# KiCad board rioctrl-controller.kicad_pcb (continued)
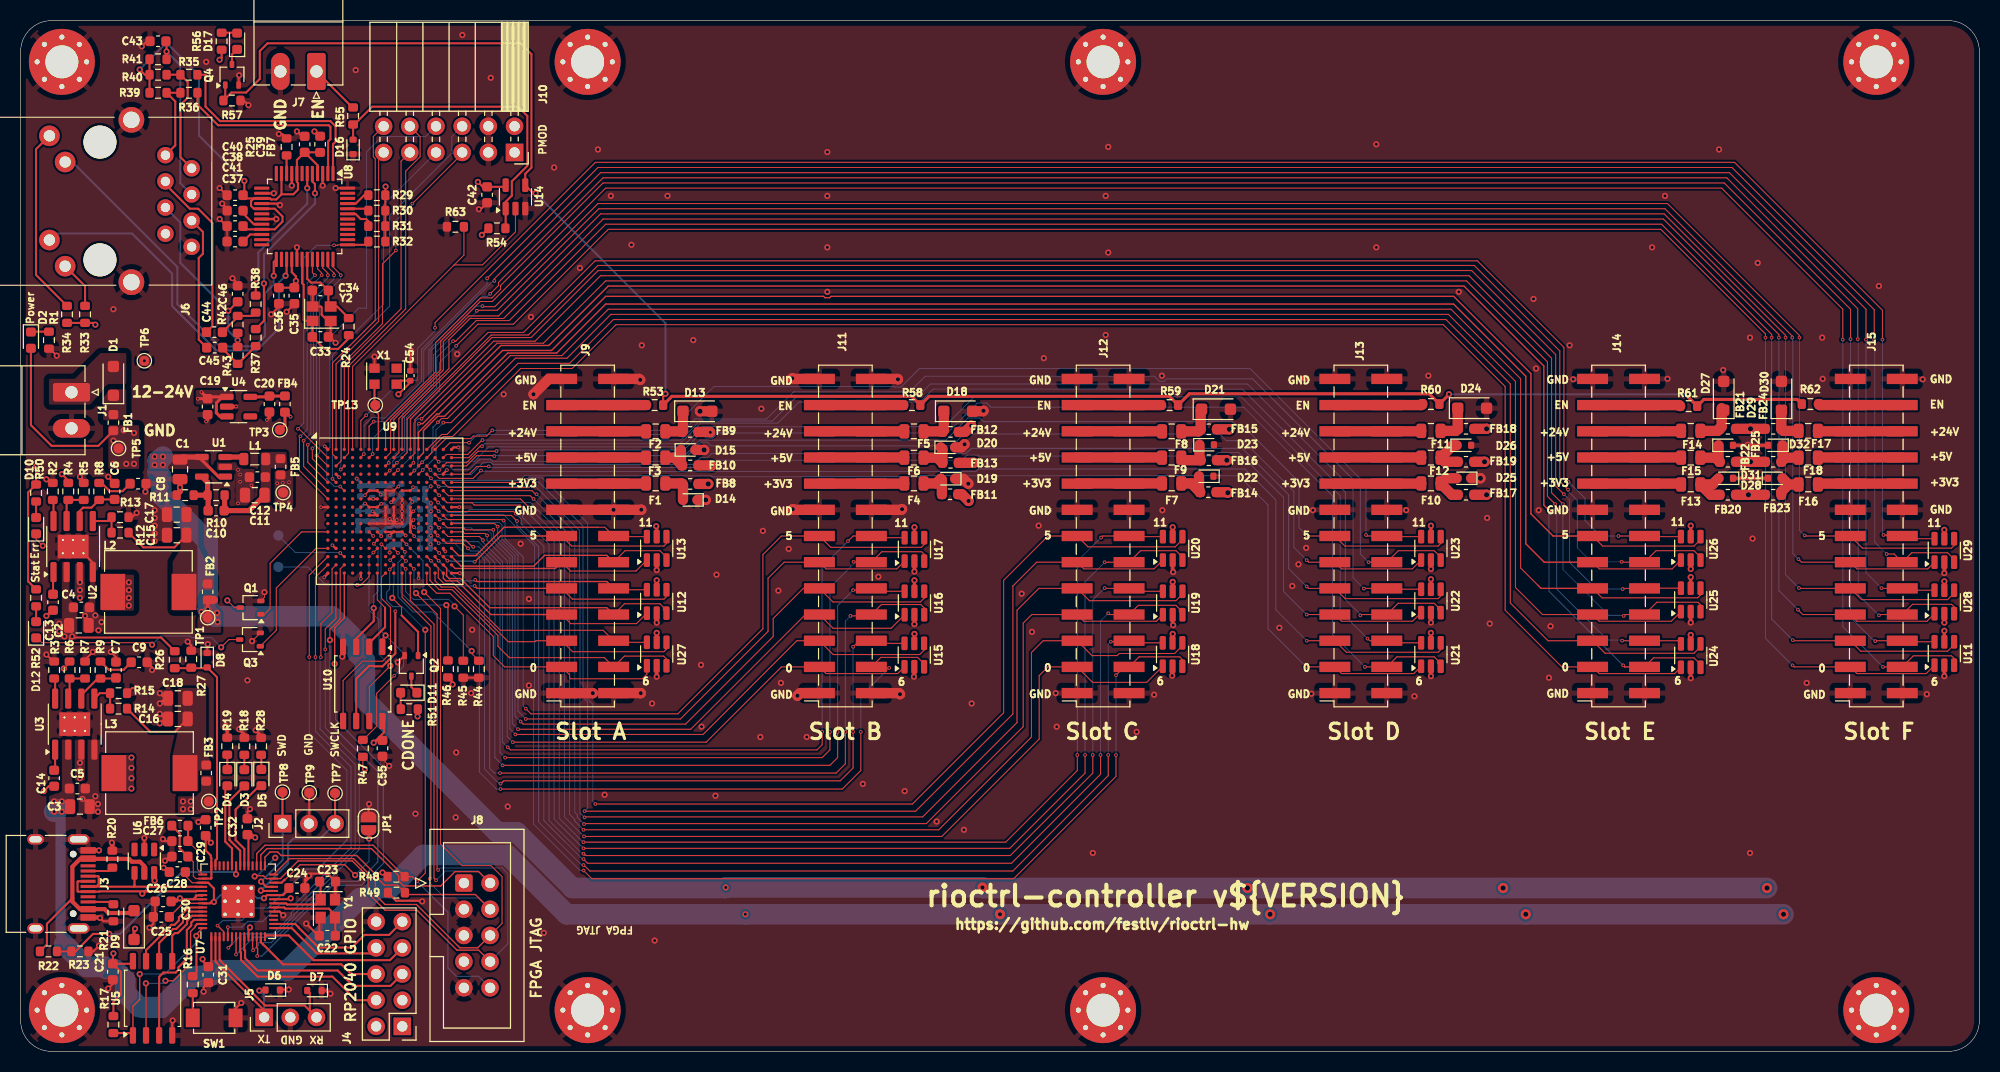
[diagram p0: board, top side]
## Routing (per net, layer and track width the routed paths; a pad name or vN(x,y) marks a point on that pad's centre or on a via; arc(x,y) is an arc through that point) (continued)
+5V: length 443.6
  Top w0.3: D9.1 11,11.8 v1(11.1,11.9) ; FB2.2 18.14,42.91 v1(18.15,42.9) 18.14,42.89 TP1.1 ; U1.1 19.19,55.76 17.58,57.38 U1.4
  Top w0.5: C1.1 15.71,57.66 U1.4
  Top w0.8: 18.75,43.8 18.16,43.8 FB2.2
  Top w1: v1(67,56.8) 66.95,56.85 FB10.2 ; FB16.2 v3(117,57.35) ; FB19.2 v3(142,57.2) ; FB13.2 v2(92.45,57.1) ; FB25.2 v3(167.8,57.2) FB22.2
  In2.Cu w0.3: v1(11.1,11.9) 10.05,12.95 10.05,19.7 11.4,21.05 11.4,34.48 11.9,34.98 11.9,37.07 17.73,42.9 v1(18.15,42.9)
  In2.Cu w1: v3(167.8,57.2) 169.4,55.6 v3(169.4,15.85) ; v2(92.45,57.1) 93.45,56.1 93.45,16.05 v2(93.3,15.9) ; v3(119,15.85) 119,55.35 v3(117,57.35) ; v3(143.8,15.85) 143.8,55.4 v3(142,57.2) ; v1(68.4,15.9) 68.6,16.1 68.6,55.2 v1(67,56.8)
  Bottom w2: v1(13.8,57.7) 13.4,57.3 13.3,57.3 13.3,56.1 13.62,55.78 13.62,54 18.15,49.47 v1(18.15,42.9) 18.85,42.2 30.2,42.2 32.7,39.7 32.7,38.6 33.4,37.9 33.4,34.1 46.25,21.25 48.13,21.25 53.53,15.85 68.35,15.85 v1(68.4,15.9) v2(93.3,15.9) 93.35,15.85 v3(119,15.85) v3(143.8,15.85) v3(169.4,15.85)
  vias: v1(13,57.7) v1(13,56.9) v1(13.8,56.9) v1(17.55,42.65) v1(19.05,42.55) v1(19.1,41.65)
+24V: length 490.5
  Top w0.1: v1(4.2,37.15) 4.75,37.7 R6.1
  Top w0.2: 4.75,40 v1(5,40.25) 5.1,40.15 13.62,40.15 R26.2 ; R4.1 4.62,55.38 v1(4,56) ; FB1.2 7.54,58.75 3,58.75 1,60.75 D2.2 1.04,68.17
  Top w1: FB24.1 v3(167.8,60.4) FB21.1 ; v2(92.2,60.7) 91.6,60.1 FB12.1 ; FB15.1 v3(117.25,60.35) ; FB9.1 66.85,60.1 v1(66.9,60.05) ; FB18.1 v3(142.2,60.4)
  In2.Cu w1: v3(117.25,60.35) 120.55,57.05 120.55,13.95 v3(121.2,13.3) ; v3(171,13.3) 171,57.2 v3(167.8,60.4) ; v1(70.3,13.3) 70.25,13.35 70.25,56.7 v1(66.9,60.05) ; v2(95,13.3) 95.3,13.6 95.3,57 92.2,60.1 v2(92.2,60.7) ; v3(146,13.3) 146,56.6 v3(142.2,60.4)
  Bottom w1: v1(4,23.25) 3.88,23.13 3.88,11.42 7.1,8.2 9.3,8.2 9.65,7.85 9.65,5.95 11.85,3.75 13.86,3.75 17.38,7.27
  Bottom w2: 3.45,23.5 3.45,23.45 v1(3.25,23.25) ; v3(171,13.3) v3(146,13.3) v3(121.2,13.3) v2(95,13.3) v1(70.3,13.3) 52.97,13.3 47.22,19.05 39.06,19.05 35.86,15.85 34.59,15.85 33.6,14.86 32.91,14.86 25.92,7.88 18.92,7.88 18.37,7.32 17.43,7.32 17.38,7.27 16.62,7.27 13.65,4.3 11.53,4.3 10.15,5.68 10.15,6.92 9.07,8 8.38,8 8.18,8.2 6.41,8.2 4.23,10.38
  vias: v1(3.25,24.25) v1(3.75,41.5) v1(3.75,40.75) v1(4,24.25) v1(4.25,40.25) v1(9,59.25) v1(9,57) v1(10,60.25) v1(10.25,57) v1(11,60) v1(11,57)
/RP2040 JTAG/1V1_RP2040: length 18.2
  Top w0.1: C26.1 15.97,17.03 16.64,16.36 17.13,16.36
  Top w0.127: U7.50 15.74,14.36 14.42,13.05
  Top w0.2: U7.50 18.36,14.36 18.5,14.5 v1(18.75,14.5) 18.75,15.81 18.2,16.36 U7.45 17.13,16.36 ; v1(23.6,14.86) 23.91,15.16 U7.23 25.46,15.16 26.03,15.72 C24.1 ; C26.1 16.09,17.4
  Bottom w0.2: v1(18.75,14.5) 19.41,15.16 22.62,15.16 22.93,14.86 v1(23.6,14.86)
/RP2040 JTAG/VBUS_SENSE: length 21.5
  Top w0.2: v1(20.89,17.18) 20.9,17.19 U7.36 ; 3.52,9.7 R23.1 5.33,9.7 7.03,11.4 v1(8.6,11.4)
  Bottom w0.2: v1(20.89,17.18) 20.66,17.41 15.66,17.41 9.65,11.4 v1(8.6,11.4)
/RP2040 JTAG/VIN_SENSE: length 22.9
  Top w0.2: U7.41 18.9,18.53 19.05,18.68 19.05,36.3 D8.2 18.03,37.17 R26.1
/W5500 interface/3V3_ADD: length 51.7
  Top w0.2: C41.1 21.89,79.75 U8.21 24.65,79.75 25.4,80.5 25.4,81 24.65,81.75 U8.17 22.62,81.75 22.35,82.02 22.35,82.48 22.62,82.75 U8.15 ; R39.1 R41.1 ; v1(11.55,95.25) 12.05,94.75 R40.1 ; v1(21.7,84.45) 21.7,83.19 C40.1 21.89,82.75 U8.15 ; U8.4 28.8,85.97 C39.1 ; 25.3,83.15 24.8,82.65 24.3,82.65 24.2,82.75 U8.15 ; 25.3,83.15 U8.11 ; 25.3,83.15 26.45,83.15 26.9,83.6 26.9,84.25 26.8,84.35 U8.8 26.8,86.47 C39.1 ; C39.1 29.04,87.22 FB7.2
  Bottom w0.2: v1(11.55,95.25) 13.9,97.6 14.4,97.6 17.3,94.7 17.3,88.85 v1(21.7,84.45)
GND: length 214.1
  Top w0.1: v1(22.45,39.8) 22.45,39.8 Q3.2 ; Q1.2 23.65,44.05 v1(23.65,44.55) ; v1(35.75,27.7) 35.1,28.35 C55.2 ; v4(36.64,54.8) 36.6,54.8
  Top w0.127: C41.2 C37.2 ; 36.6,54.8 U9.F9
  Top w0.2: U8.48 v1(30.55,83.75) ; C40.2 19.99,83.06 v1(19.3,83.75) ; v1(11.25,52.25) 10.83,51.83 R13.2 ; D7.1 29.75,5.9 v1(30.05,5.6) ; R1.2 2.83,68.17 v1(3.5,67.5) ; v1(2.5,55.5) 2.85,55.15 R2.2 ; v1(27.7,12.4) 28.88,11.22 C22.1 28.97,12.85 Y1.2 ; v1(2.5,38.5) 3.17,37.83 R3.2 ; C9.2 12.75,37.28 v1(12.75,37) ; U9.K9 36.2,51.25 ; U9.K9 U9.K7 U9.K6 ; U9.K9 U9.J9 U9.H9 ; U9.K9 U9.K10 v4(37,51.55) U9.J10 v4(37,52.4) U9.H10 v4(37,53.2) U9.G10 ; 36.2,51.25 v4(36.5,51.55) ; 36.2,51.25 v4(35.8,51.65) ; U9.K8 U9.J8 U9.H8 ; R45.2 R44.2 ; U9.N2 30.55,48.8 v4(30.25,49.1) ; v1(37.9,67.95) 37.8,67.85 C54.2 ; U9.T12 v4(38.6,45.9) ; U8.3 v1(29.3,84) ; U9.A1 v4(29.5,58.7) ; v1(21.4,4.7) 20.85,4.15 SW1.1 ; R57.1 21.65,92.25 v1(22.1,91.8) ; U9.T5 v4(33,45.85) ; v1(7.6,10.25) 7.05,9.7 R23.2 ; v1(25.8,71.75) 26.55,72.5 C35.2 ; v1(13.86,17.81) 14.28,17.4 C26.2 ; C41.2 19.99,80.06 v1(19.3,80.75) ; C46.2 21.05,74.5 v1(20.55,75) ; JP1.1 33.75,23.95 v1(33.8,24) ; TP9.1 28,22.14 J2.2 ; v1(7,38.75) 6.25,38 R7.2 ; C21.2 8.95,6.55 v1(8.5,6.1) ; v1(13.5,31.83) 13.92,32.25 C16.2 14,32.25 v1(13.5,32.75) ; R27.2 16.55,39.4 v1(16.2,39.75) ; v1(11.25,35.25) 10.83,35.25 R15.2 ; C42.1 44.62,81.7 v1(44.45,81.7) ; v4(29.45,46) 29.8,46.35 U9.T1 ; U7.19 25.12,13.56 v1(25.47,13.21) ; U9.D15 41,56.05 v4(41.35,56.4) ; v1(19.55,82.25) 20.03,81.78 C38.2 ; U9.N15 41,48.7 v4(41.2,48.5) ; C18.2 14,34.25 ; 14,34.25 v1(13.5,33.75) ; 14,34.25 v1(13.5,34.75) ; C43.2 12.25,98 v1(11.75,97.5) ; C39.2 27.28,88.78 v1(26.8,89.25) ; v1(5.75,55.75) 6.12,55.38 R5.2 ; C28.2 14.4,18.9 v1(14,18.5) ; U2.4 7,47.42 U2.9 ; v1(38.95,14.55) 38.89,14.61 36.41,14.61 R49.2 ; v1(21.2,94.7) 21.15,94.65 Q4.2 ; U9.A16 42,58.6 v4(42.45,58.6) ; U8.14 v1(24.55,83.25) ; v1(18.15,39.5) 18.1,39.45 D8.1 ; C23.1 29.78,17.25 28.15,17.25 v1(27.95,17.05) 27.58,16.68 C24.2 27.58,16.42 28.2,17.05 ; C23.1 30.5,16.42 Y1.4 30.55,14.78 C23.1 ; v1(30.55,68.75) 29.99,69.31 C33.1 30.08,69.54 Y2.2 29.8,70.86 29.2,71.47 29.2,72.17 29.1,72.27 Y2.4 28.33,73.79 C34.2 ; U5.4 14.7,2.96 v1(14.75,3) ; U9.D2 v4(30.9,55.7) ; C6.2 9.12,55.13 v1(8.5,55.75) ; v1(34.33,67.4) X1.2 ; C36.2 25.05,72.25 v1(24.3,71.5) ; v1(7.7,12.95) 8.03,12.62 R21.2 ; U10.4 31.2,39.17 v1(31.2,38.3) ; U9.H1 v4(29.15,52.8) ; U8.29 v1(26.8,78) ; D6.1 25.2,6 v1(26,6) ; Q2.2 37.24,38.4 v1(36.59,37.75) ; v1(22.25,23.5) 22,23.25 C32.2 ; v1(25.05,89) 25.38,89 R25.2 ; v1(25.15,82.1) 25,82.25 U8.16 ; U9.H16 v4(42.55,52.8) ; 18.2,6.68 17.75,6.22 v1(17.75,5.8) ; v1(12.1,54.3) 12.1,55 C8.2 ; U8.19 v1(24.8,80.75) ; U8.9 v1(26.3,84) ; v1(17.25,22.25) 17.47,22.47 C29.2 ; C30.2 13.05,13.22 C25.2 12.88,12.38 v1(12.5,12) ; C7.2 9.25,38.25 v1(8.75,38.75) ; C27.2 14,20.4 v1(13.8,20.6) ; U6.2 v1(12,20.7) ; U9.F9 U9.F8 U9.G8 ; v4(42.6,46.4) U9.T16
  Top w0.3: U25.2 v1(162,41.6) ; D32.2 167.6,58.8 v1(167.55,58.85) 167.5,58.8 D29.2 ; U16.2 v1(86.7,41.45) ; U20.2 111.75,46.55 v1(111.8,46.5) ; v1(111.8,41.35) 111.75,41.4 U19.2 ; v4(20.89,62.56) 20.88,62.55 U4.2 ; U22.2 v1(136.8,41.6) ; v4(23.89,61.26) 24.14,61.51 C20.1 ; U23.2 v1(136.8,46.8) ; U13.2 v1(61.7,46.7) ; U24.2 v1(162,36.2) ; U15.2 86.69,36.39 v1(86.65,36.35) ; 18.14,61.78 18.14,61.26 v4(17.99,61.11) ; U29.2 v1(186.6,46.4) ; U21.2 v1(136.8,36.4) ; v1(21.2,31.25) 21.7,30.75 R18.2 ; U17.2 v1(86.7,46.55) ; U27.2 v1(61.7,36.35) ; U12.2 v1(61.7,41.6) ; R19.2 20.04,31.46 v1(19.9,31.6) ; R28.2 23.33,30.62 v1(22.8,31.15) ; D28.1 167.15,55.6 v1(167.2,55.65) 167.25,55.6 D31.1 ; U28.2 v1(186.6,41.6) ; v1(111.7,36.45) 111.74,36.49 U18.2 ; U11.2 v1(186.6,36.4) ; U26.2 v1(162,46.8)
  Top w0.4: J3.A1 v1(7.6,19.5) ; J3.A12 7.65,13 v1(7.7,12.95) ; R20.1 8.9,20.2 v1(8.85,20.25)
  Top w0.5: R11.2 15.46,54.29 v1(15.46,54.71) C1.2
  Top w1: v2(75.35,34.5) 75.61,34.76 J11.1 ; D13.2 v3(65.9,62.1) ; D19.1 91.45,55.55 v2(91.93,55.07) ; v2(74.9,52.6) 74.96,52.54 J11.15 ; J9.15 v2(57.52,52.54) 60.19,52.54 v2(60.2,52.55) ; J9.25 51.24,65.24 v2(49.75,63.75) ; v2(85.5,52.6) 85.44,52.54 J11.16 ; v2(85.3,34.65) 85.19,34.76 J11.2 ; D18.2 93.35,62.1 v2(93.4,62.15) ; v2(60.1,65.15) 60.01,65.24 J9.26 ; D14.1 v3(66.45,53.5) ; v2(85.1,65.2) 85.06,65.24 J11.26 ; J9.1 52.49,34.75 v2(55.5,34.75) ; v2(60.15,34.75) 60.14,34.76 J9.2 ; v2(91.56,58.9) 91.26,58.6 D20.2 ; D15.2 v3(66.3,58.35) ; J11.25 74.91,65.24 v2(74.85,65.3) ; D25.1 v3(141.6,55.6)
  Bottom w0.1: C64.2 C65.2 39.71,49.15 v4(39.76,49.2) ; v4(39.78,54.82) 39.51,54.55 C62.2 ; C52.2 39.45,53.55 v4(39.8,53.2) ; v4(39.8,50.04) 39.7,50.14 C61.2 39.7,50.74 v4(39.76,50.8) ; v4(39.8,52.4) 39.71,52.31 C60.2
  Bottom w0.127: v4(35.8,48.4) 35.8,48.92 C50.2
  Bottom w0.3: v4(32.6,55.56) 32.95,55.21 C53.2
  Bottom w0.5: C65.2 C63.2 39.71,53.05 C52.2 C62.2 ; C53.2 33.02,54.9 35.85,54.9 C59.2 ; C49.2 36.67,49.2 35.98,49.2 C50.2 ; C66.2 35.57,51.44 C56.2 C57.2 33.69,51.45 C67.2 32.75,50.58 C51.2
  vias: v1(6,24.5) v1(6.25,42.25) v1(7.25,42.3) v1(7.25,24.75) v1(7.55,40.85) v1(7.5,24) v1(7.5,23.25) v1(7.85,41.65) v1(9,72) v1(12,67) v1(13,52.5) v1(13,51.75) v1(13,51) v1(13,50.25) v1(13,49.5) v1(18,96) v1(22,36) v1(32.5,95.2) v1(38.3,23.05) v1(42.25,29) v1(42.2,22.7) v1(42.35,67.65) v1(42.85,98.6) v1(43.7,34.75) v1(43.8,40.9) v1(45.6,94.45) v1(46.85,63.75) v1(47.25,23.75) v1(48.5,49.25) v1(49.3,43.9) v1(49.3,35.5) v1(49.5,71.25) v1(50.75,11.5) v1(51.75,85.75) v1(54.25,76) v1(56,87.5) v1(56.65,24.9) v1(57.25,83) v1(59.25,78.25) v1(60.25,68.5) v1(61.25,33.75) v1(61.5,10.75) v1(62.75,83) v1(65.25,69) v1(66,37.5) v1(66.05,31.5) v1(67.4,24.8) v1(67.5,46.25) v1(71.85,62.35) v1(71.75,30.5) v1(72,50.5) v1(73.5,44.7) v1(73.75,35.75) v1(74.5,48.75) v1(76.25,30.5) v1(78.25,87.25) v1(78.25,83) v1(78.25,78) v1(78.25,73.69) v1(81.7,25.95) v1(83.2,46.05) v1(85.75,25.25) v1(88.85,22.3) v1(91.5,21.5) v1(92.25,33.75) v1(97.1,44.4) v1(98.1,40.7) v1(98.75,51) v1(99.25,67.25) v1(99.75,52.5) v1(100.4,34.75) v1(100.5,31.5) v1(104,19.25) v1(105.25,83) v1(105.25,69.5) v1(105.5,87.75) v1(105.5,77.5) v1(108.25,31) v1(109.95,34.6) v1(110.7,65.55) v1(110.75,52.5) v1(122.1,41.1) v1(123.35,45.15) v1(123.95,47.25) v1(124.55,65.3) v1(124.7,48.85) v1(125.2,34.7) v1(125.35,52.5) v1(131.5,88) v1(131.5,78) v1(134.4,52.5) v1(135.2,34.45) v1(136.55,65.55) v1(139.5,73.69) v1(142.25,51.75) v1(142.5,41.5) v1(146.75,73) v1(147,66.25) v1(147.25,52.5) v1(148.25,36.25) v1(148.4,41.25) v1(150.25,68.5) v1(150.6,65.2) v1(158.25,78) v1(159.5,83) v1(159.75,65.25) v1(164.75,87.5) v1(165.15,66.1) v1(167.75,69.25) v1(167.75,19.25) v1(168,49.75) v1(168.5,76.5) v1(173.25,35.75) v1(174.75,69.25) v1(174.8,65.25) v1(180.25,74.25) v1(184.5,65.2) v1(184.9,34.65) v4(21.09,56.41) v4(21.09,53.16) v4(21.29,55.96) v4(21.29,55.26) v4(22.39,54.91)
VBUS: length 24.7
  Top w0.2: 5.02,14.85 2.55,12.38 2.55,10.38 R22.2 ; 6.62,18.62 J3.A4
  Top w0.4: U6.5 12,17.97 11.57,18.4 10.79,18.4 10.52,18.67 6.57,18.67 J3.A4 5.8,18.7 5.02,17.92 5.02,14.54 5.76,13.8 J3.A9 8.15,13.8 8.52,13.42 10.78,13.42 D9.2
/FPGA/CFG_1: length 14.2
  Top w0.1: v1(41.3,43.3) 41.45,43.15 R46.2 ; v4(37.38,47.58) 37,47.96 U9.P10
  Bottom w0.1: v1(41.3,43.3) 38.1,43.3 36.9,44.5 36.9,47.1 v4(37.38,47.58)
/FPGA/CFG_2: length 13.8
  Top w0.1: R45.1 42.94,42.33 v1(42.09,43.18) ; v4(37.35,46.81) 37,47.15 U9.R10
  Bottom w0.1: v1(42.09,43.18) 42.09,43.29 41.53,43.85 38.1,43.85 37.35,44.6 v4(37.35,46.81)
/FPGA/DONE: length 11
  Top w0.1: v1(36.05,43.99) 36.95,43.09 36.95,42.3 ; U9.P9 v4(35.85,47.65)
  Top w0.2: 36.95,42.3 38.55,40.7 Q2.1
  Bottom w0.1: v4(35.85,47.65) 36.22,47.28 36.22,45.42 36.15,45.35 36.15,44.09 v1(36.05,43.99)
/FPGA/FLASH_CLK: length 19.4
  Top w0.1: v4(36.6,48.36) 36.2,48.76 U9.N9
  Top w0.2: v4(36.34,42.7) 36.34,38.6 35.09,37.35 34.3,37.35 34.25,37.4 33.8,37.4 32.55,36.15 U10.6
  In2.Cu w0.1: v4(36.6,48.36) 36.6,42.96 v4(36.34,42.7)
/FPGA/FLASH_CS: length 23.3
  Top w0.1: U10.1 35.09,40.04 v1(35.4,40.35) ; U9.N8 v4(35,49.2) ; v4(36.25,36.45) 34.54,34.74 34.54,31.54 33.22,30.22 33.2,30.22
  Bottom w0.1: v4(36.25,36.45) 37.14,37.34 37.14,38.61 v1(35.4,40.35) 34.95,40.8 34.95,48.9 35,48.95 v4(35,49.2)
/FPGA/FLASH_DI: length 17.9
  Top w0.1: U10.5 31.28,35.98 33.15,37.85 35.1,37.85 35.88,38.62 35.88,43.08 35,43.95 35,46 U9.T8
/FPGA/FLASH_DO: length 8.1
  Top w0.1: U9.T7 34.6,43.8 35.35,43.05
  Top w0.2: U10.2 33.82,39.62 35.35,41.15 35.35,43.05
/FPGA/FLASH_IO2: length 11.5
  Top w0.1: U9.M7 v4(34.25,49.25)
  Top w0.2: U10.3 32.55,40.05 34.25,41.75 v1(34.25,43)
  Bottom w0.1: v1(34.25,43) 34.25,44.2 34.65,44.6 34.65,48.85 v4(34.25,49.25)
/FPGA/FLASH_IO3: length 18.8
  Top w0.1: v4(34.22,48.4) 34.6,48.78 U9.N7 ; U10.7 33.82,35.37 v1(35.86,37.41)
  Bottom w0.1: v4(34.22,48.4) 33.8,47.97 33.8,42.81 34.75,41.86 34.75,38.52 v1(35.86,37.41)
/FPGA/FPGA_P3: length 7.2
  Top w0.1: U9.P3 31.35,48 v4(31,48.35)
  Bottom w0.1: TP10.1 26.65,48.4 30.95,48.4 v4(31,48.35)
/FPGA/FPGA_T6: length 10.2
  Top w0.1: v4(32.65,45.25) 33,45.25 33.8,46.05 U9.T6
  Bottom w0.1: TP11.1 27.85,47 29.6,45.25 v4(32.65,45.25)
/FPGA/FPGASlotEN: length 35.6
  Top w0.1: U9.A4 32.2,66.45 42.05,76.3 ; R63.2 43,77.25 42.05,76.3 ; 42.05,76.3 44.8,76.3 48,79.5 U14.2
/FPGA/LED_ERR: length 12.4
  Top w0.1: Q1.1 23.65,42.4 24.2,42.95 24.2,47.35 27.25,50.4 U9.L1
/FPGA/LED_OK: length 12.9
  Top w0.1: U9.N1 28.65,48.8 24.8,44.95 24.8,40.85 Q3.1
/FPGA/MCLK: length 6.5
  Top w0.127: 34.6,61.95 34.7,61.85 34.7,58.5 U9.A7
  Top w0.2: 34.6,61.95 34.33,62.22 X1.3
/FPGA/PMOD_P1: length 30.7
  Top w0.1: U9.A2 30.6,66.7 34.73,70.83 34.73,86.73 J10.11
/FPGA/PMOD_P2: length 31.4
  Top w0.1: U9.A3 31.4,66.55 36.9,72.05 36.9,86.36 J10.9
/FPGA/PMOD_P3: length 36.3
  Top w0.1: U9.E2 v4(30.25,55.55)
  Bottom w0.1: J10.7 35.2,82.12 35.2,72.5 30.25,67.55 v4(30.25,55.55)
/FPGA/PMOD_P4: length 35.5
  Top w0.1: J10.5 42.83,87.08 v4(38,82.25) ; v4(36.4,77.7) 35.1,76.4 35.1,70.6 31.09,66.59 31.09,57.29 U9.C2
  Bottom w0.1: v4(38,82.25) 38,82.2 36.4,80.6 v4(36.4,77.7)
/FPGA/PMOD_P7: length 34.5
  Top w0.1: U9.B2 30.25,57.95 30.25,66.8 33.3,69.85 33.3,69.85 34.4,70.95 34.4,86.61 34.21,86.8 34.21,88.75 J10.12
/FPGA/PMOD_P8: length 35.6
  Top w0.1: J10.10 38.75,88.75 38.75,86.8 37.35,85.4 37.35,72.03 31.8,66.48 31.8,58 U9.B3
/FPGA/PMOD_P9: length 43.7
  Top w0.1: U9.F3 v4(31,54.8)
  Bottom w0.1: J10.8 39.29,88.75 35.05,88.75 33.55,87.25 33.55,72.1 32.8,72.1 30,69.3 30,58.6 29.7,58.3 29.7,55.53 30.43,54.8 v4(31,54.8)
/FPGA/PMOD_P10: length 38.7
  Top w0.1: U9.C3 v4(31.05,56.45)
  Bottom w0.1: J10.6 41.83,88.75 41.83,87.13 35.8,81.1 35.8,72.3 31.05,67.55 v4(31.05,56.45)
/FPGA/SA0: length 28.4
  Top w0.1: U9.T13 39.4,45.4 40.35,44.45 41.65,44.45 45.85,40.25 45.85,38.4 46.95,37.3 J9.3 53.25,36.53 53.25,36.25 53.35,36.15 60.3,36.15 60.75,36.6 U27.1
/FPGA/SA1: length 26.9
  Top w0.1: U9.T14 40.2,45.65 40.8,45.05 42,45.05 47.3,39.75 49.9,39.75 49.99,39.84 J9.5 53.55,38.78 62.4,38.78 62.65,39.03 U27.4
/FPGA/SA2: length 22.5
  Top w0.1: U12.1 59.74,41.5 53.36,41.5 J9.7
  Top w0.127: U9.T15 41,45.9 41.25,45.65 42.35,45.65 45.62,42.38 J9.7
/FPGA/SA3: length 25.7
  Top w0.1: U12.4 62.65,44.13 62.4,43.88 53.53,43.88 J9.9
  Top w0.127: v4(44.05,45.15) 44.28,44.92 J9.9 ; U9.P13 v4(39.8,47.6)
  Bottom w0.127: v4(44.05,45.15) 42.25,45.15 v4(39.8,47.6)
/FPGA/SA4: length 20.1
  Top w0.1: U13.1 59.69,46.6 53.34,46.6 J9.11
  Top w0.127: J9.11 51.87,46.85 42.15,46.85 U9.R16
/FPGA/SA5: length 24.1
  Top w0.1: U13.4 62.65,49.28 62.4,49.03 53.45,49.03 J9.13
  Top w0.127: U9.P15 v4(41.4,47.6) ; J9.13 46.55,50 v4(44.05,47.5)
  Bottom w0.127: v4(41.4,47.6) 41.65,47.6 41.7,47.55 43.8,47.55 43.85,47.5 v4(44.05,47.5)
/FPGA/SA6: length 29.9
  Top w0.1: U9.R13 39.71,46.89 39.71,45.71 39.7,45.7 40.6,44.8 41.85,44.8 46.3,40.35 46.3,39.3 47.4,38.2 56.62,38.2 J9.4 58.57,38.35 62.37,38.35 62.65,38.07 U27.3
/FPGA/SA7: length 24.2
  Top w0.1: U27.6 57.67,39.69 J9.6 56.51,40.85 46.55,40.85 42.05,45.35 41.1,45.35 40.51,45.94 40.51,46.89 U9.R14
/FPGA/SA8: length 25.1
  Top w0.1: J9.8 58.56,43.42 62.02,43.42 62.35,43.09 62.35,42.81 U12.3
  Top w0.127: U9.R15 41.32,46.88 41.32,46.13 41.57,45.88 42.67,45.88 45.51,43.04 56.86,43.04 J9.8
/FPGA/SA9: length 22
  Top w0.1: J9.10 57.65,44.79 U12.6
  Top w0.127: v4(44.1,45.75) 44.27,45.58 56.86,45.58 J9.10 ; v4(40.55,47.6) 40.2,47.95 U9.P14
  Bottom w0.127: v4(40.55,47.6) 42.5,45.65 44,45.65 v4(44.1,45.75)
/FPGA/SA10: length 22.9
  Top w0.1: U13.3 62.65,47.94 62.02,48.58 58.64,48.58 J9.12
  Top w0.127: J9.12 56.86,48.12 50.82,48.12 49.77,47.08 42.72,47.08 U9.P16
/FPGA/SA11: length 20.8
  Top w0.1: 56,50.85 56.67,50.85 J9.14 57.58,49.94 U13.6
  Top w0.127: 56,50.85 46.9,50.85 44.15,48.1 42.5,48.1 U9.N16
/FPGA/SB0: length 66.2
  Top w0.1: v4(45.25,50.05) 45.05,50.25 43.05,50.25 42.9,50.4 U9.L16 ; v4(47.75,30) 66.5,30 73.8,37.3 J11.3 78.13,36.65 85.07,36.65 U15.1
  Bottom w0.1: v4(47.75,30) 47.2,30.55 47.2,47.6 45.25,49.55 v4(45.25,50.05)
/FPGA/SB1: length 71.1
  Top w0.1: U9.K14 v4(40.6,50.8) ; U15.4 87.64,38.93 87.21,38.5 78.82,38.5 J11.5 75.29,39.84 66.2,30.75 v4(48,30.75)
  Bottom w0.1: v4(40.6,50.8) 43.7,50.8 43.95,50.55 45.32,50.55 45.65,50.22 45.65,49.65 47.45,47.85 47.45,31.3 v4(48,30.75)
/FPGA/SB2: length 68.6
  Top w0.1: v4(45.85,50.6) 43.15,50.6 42.95,50.8 41.4,50.8 U9.K15 ; v4(48.25,31.25) 65,31.25 76.13,42.38 J11.7 78.81,41.05 84.44,41.05 U16.1
  Bottom w0.1: v4(45.85,50.6) 45.85,49.85 47.7,48 47.7,31.8 v4(48.25,31.25)
/FPGA/SB3: length 71.5
  Top w0.1: v4(48.5,32) 48.75,31.75 64.5,31.75 73,40.25 73,42 75.92,44.92 J11.9 78.8,43.6 87.27,43.6 87.65,43.98 U16.4 ; v4(46.27,50.92) 45.99,51.2 U9.K16
  Bottom w0.1: v4(48.5,32) 47.95,32.55 47.95,48.1 46.27,49.78 v4(46.27,50.92)
/FPGA/SB4: length 73.3
  Top w0.1: U17.1 85,46.81 78.13,46.81 J11.11 74.06,47.46 72.5,45.9 72.5,40.75 64,32.25 v4(49,32.25) ; U9.J14 40.25,52 v4(40.65,51.6)
  Bottom w0.1: v4(40.65,51.6) 41.6,51.6 41.9,51.3 41.92,51.32 46.44,51.32 46.7,51.05 46.7,49.7 48.25,48.15 48.25,33 v4(49,32.25)
/FPGA/SB5: length 76.6
  Top w0.1: v4(49,33.25) 49.5,32.75 63.75,32.75 72,41 72,48.2 73.8,50 J11.13 78.58,48.9 87.37,48.9 87.65,49.18 U17.4 ; U9.J15 41.41,51.59 46.76,51.59 v4(46.85,51.5)
  Bottom w0.1: v4(49,33.25) 48.75,33.5 48.75,47.95 47,49.7 47,51.35 v4(46.85,51.5)
/FPGA/SB6: length 82.8
  Top w0.1: v4(81.5,31) 81.5,27.25 79.7,25.45 v4(46.55,25.45) ; U9.N14 40.2,48.75 v4(40.6,48.35) ; v4(84.25,37.2) 82.62,37.2 J11.4 83.44,38.22 87.01,38.22 87.64,37.59 U15.3
  Bottom w0.1: v4(84.25,37.2) 81.5,34.45 v4(81.5,31) ; v4(40.6,48.35) 40.88,48.08 44.33,48.08 44.5,47.9 44.5,27.1 46.15,25.45 v4(46.55,25.45)
/FPGA/SB7: length 79.9
  Top w0.1: U9.M14 40.25,49.6 v4(40.55,49.3) ; v4(46.55,25.98) 46.68,26.1 46.72,26.1 46.87,26.25 79.5,26.25 80.75,27.5 v4(80.75,31) ; v4(80.75,39.25) 81.34,39.84 J11.6 82.77,39.59 U15.6
  Bottom w0.1: v4(40.55,49.3) 42.1,49.3 43.12,48.28 44.41,48.28 45,47.68 45,27.4 46.42,25.98 v4(46.55,25.98) ; v4(80.75,39.25) v4(80.75,31)
/FPGA/SB8: length 83.4
  Top w0.1: v4(80,31) 80,27.9 79.1,27 v4(46.5,27) ; U9.M15 41.31,49.29 42.91,49.29 v4(43.4,48.8) ; U16.3 87.65,43.02 87.32,43.35 83.49,43.35 J11.8 82.39,42.25 v4(80.5,42.25)
  Bottom w0.1: v4(43.4,48.8) 43.65,48.55 44.42,48.55 45.5,47.47 45.5,27.45 45.95,27 v4(46.5,27) ; v4(80.5,42.25) 80,41.75 v4(80,31)
/FPGA/SB9: length 79.9
  Top w0.1: v4(79.25,31) 79.25,28.5 78.5,27.75 v4(46.75,27.75) ; U16.6 82.8,44.64 J11.10 82.35,44.75 v4(80.75,44.75) ; U9.M16 43.17,49.6 43.81,48.95 v4(43.9,48.95)
  Bottom w0.1: v4(79.25,31) 79.25,43.25 v4(80.75,44.75) ; v4(46.75,27.75) 46,28.5 46,47.4 44.45,48.95 v4(43.9,48.95)
/FPGA/SB10: length 85.7
  Top w0.1: U9.L14 40.2,50.3 v4(40.45,50.05) ; v4(80.8,47.5) 80.84,47.46 J11.12 83.53,48.47 87.4,48.47 87.65,48.22 U17.3 ; v4(78.5,31) 78.5,29.25 77.75,28.5 v4(47,28.5)
  Bottom w0.1: v4(80.8,47.5) 80.8,47.3 78.5,45 v4(78.5,31) ; v4(47,28.5) 46.5,29 46.5,47.33 44.38,49.45 42.23,49.45 42.18,49.5 41,49.5 v4(40.45,50.05)
/FPGA/SB11: length 82.6
  Top w0.1: U17.6 82.68,49.84 J11.14 80.75,50 v4(80.25,49.5) ; v4(47.25,29.5) 47.5,29.25 77.25,29.25 77.75,29.75 v4(77.75,31) ; v4(44.85,49.6) 44.5,49.95 41.45,49.95 U9.L15
  Bottom w0.1: v4(47.25,29.5) 46.75,30 46.75,47.5 44.85,49.4 v4(44.85,49.6) ; v4(80.25,49.5) 77.75,47 v4(77.75,31)
/FPGA/SC0: length 112.1
  Top w0.1: v4(54.65,20.85) 89.35,20.85 98.8,30.3 98.8,36.45 99.65,37.3 J12.3 103.98,35.8 109.22,35.8 U18.1 ; U9.F14 40.2,54.35 v4(40.6,53.95)
  Bottom w0.1: v4(54.65,20.85) 52.75,22.75 52.75,49.95 49.45,53.25 41.3,53.25 v4(40.6,53.95)
/FPGA/SC1: length 115
  Top w0.1: U18.4 112.69,39.36 111.93,38.6 106.57,38.6 106.37,38.4 103.92,38.4 J12.5 99.19,39.84 98.05,38.7 98.05,30.5 89.05,21.5 v4(54.6,21.5) ; v4(49.75,53.6) 49.44,53.91 41.49,53.91 U9.F15
  Bottom w0.1: v4(54.6,21.5) 53.75,22.35 53.75,22.5 53.25,23 53.25,50.1 v4(49.75,53.6)
/FPGA/SC2: length 113.3
  Top w0.1: U9.F16 49.6,54.4 50,54 v4(50.05,54.05) ; v4(54.65,22.05) 54.7,22.1 87.85,22.1 97.25,31.5 97.25,41.55 98.08,42.38 J12.7 103.13,41.73 110.17,41.73 U19.1
  Bottom w0.1: v4(50.05,54.05) 53.75,50.35 53.75,23.2 54,22.95 54,22.7 v4(54.65,22.05)
/FPGA/SC3: length 118.6
  Top w0.1: v4(54.7,22.7) 54.75,22.75 87.5,22.75 96.65,31.9 96.65,42.8 98.77,44.92 J12.9 103.68,43.72 112.07,43.72 112.7,44.36 U19.4 ; U9.E14 40.2,55.15 v4(40.55,54.8)
  Bottom w0.1: v4(54.7,22.7) 54.25,23.15 54.25,45.95 54.2,46 54.2,50.55 49.95,54.8 v4(40.55,54.8)
/FPGA/SC4: length 117.7
  Top w0.1: U20.1 109.95,46.81 103.13,46.81 J12.11 98.56,47.46 96.25,45.15 96.25,32.73 86.82,23.3 v4(54.7,23.3) ; U9.E15 41.49,54.71 46.39,54.71 46.4,54.7 49.3,54.7 v4(49.85,55.25)
  Bottom w0.1: v4(54.7,23.3) 55,23.6 55,33.91 54.55,34.36 54.55,50.95 50.25,55.25 v4(49.85,55.25)
/FPGA/SC5: length 119.2
  Top w0.1: v4(55.75,24) 86.5,24 95.35,32.85 95.35,45.7 99.65,50 J12.13 103.53,48.95 111.99,48.95 112.7,49.66 U20.4 ; v4(49.05,55.45) 48.8,55.2 U9.E16
  Bottom w0.1: v4(49.05,55.45) 49.25,55.65 50.6,55.65 55,51.25 55,35.31 54.75,35.06 54.75,34.44 55.5,33.69 55.5,24.25 v4(55.75,24)
/FPGA/SC6: length 118.9
  Top w0.1: U9.H14 40.2,52.75 v4(40.55,52.4) ; v4(106.25,36.5) 107.05,37.3 J12.4 108.5,38.28 112.44,38.28 112.69,38.02 U18.3 ; v4(54.6,17.55) 55.4,16.75 96.32,16.75 106.25,26.67 v4(106.25,28.75)
  Bottom w0.1: v4(40.55,52.4) 40.9,52.05 46.87,52.05 49.85,49.07 49.85,35.27 49.75,35.17 49.75,22.05 54.25,17.55 v4(54.6,17.55) ; v4(106.25,36.5) v4(106.25,28.75)
/FPGA/SC7: length 116
  Top w0.1: v4(105.75,39.75) 107.43,39.75 J12.6 107.72,39.64 U18.6 ; v4(105.5,28.75) 105.5,26.75 96.25,17.5 55.22,17.5 54.77,17.95 54.73,17.95 v4(54.6,18.08) ; U9.J16 47.6,52 v4(48.15,51.45)
  Bottom w0.1: v4(54.6,18.08) 54.42,18.08 50.25,22.25 50.25,48.95 48.15,51.05 v4(48.15,51.45) ; v4(105.5,28.75) 105.5,39.5 v4(105.75,39.75)
/FPGA/SC8: length 121.6
  Top w0.1: U9.H15 41.42,52.38 47.83,52.38 v4(48.05,52.15) ; v4(104.75,28.75) 104.75,26.88 96.12,18.25 55,18.25 v4(54.6,18.65) ; v4(105.5,42.5) 105.62,42.38 J12.8 108.41,43.28 112.07,43.28 112.4,42.94 112.4,42.66 U19.3
  Bottom w0.1: v4(54.6,18.65) 54.5,18.65 50.75,22.4 50.75,49 48.55,51.2 48.55,51.65 v4(48.05,52.15) ; v4(104.75,28.75) 104.75,41.75 v4(105.5,42.5)
/FPGA/SC9: length 121.8
  Top w0.1: v4(105.15,44.95) 105.18,44.92 J12.10 107.8,44.64 U19.6 ; v4(54.6,19.18) 54.73,19.05 54.77,19.05 54.82,19 96,19 104,27 v4(104,28.75) ; U9.G14 40.2,53.55 v4(40.5,53.25)
  Bottom w0.1: v4(104,28.75) 104,43.8 v4(105.15,44.95) ; v4(40.5,53.25) 41.45,52.3 43.3,52.3 43.55,52.55 48.25,52.55 48.7,52.1 48.7,51.78 51.25,49.23 51.25,22.4 54.47,19.18 v4(54.6,19.18)
/FPGA/SC10: length 125
  Top w0.1: v4(103.25,28.75) 103.25,27 95.95,19.7 v4(54.6,19.7) ; U9.G15 41.38,53.22 43.78,53.22 44,53 48.45,53 v4(48.8,52.65) ; U20.3 112.7,47.94 112.07,48.58 108.63,48.58 J12.12 105.51,47.46 105.5,47.45 v4(105.15,47.45)
  Bottom w0.1: v4(103.25,28.75) 103.25,45.55 v4(105.15,47.45) ; v4(48.8,52.65) 51.75,49.7 51.75,22.55 v4(54.6,19.7)
/FPGA/SC11: length 123
  Top w0.1: v4(102.5,28.75) 102.5,27.25 95.55,20.3 v4(54.6,20.3) ; U20.6 107.58,49.94 J12.14 104.95,50 v4(104.8,49.85) ; U9.G16 48.49,53.6 v4(49.31,52.78)
  Bottom w0.1: v4(54.6,20.3) 54.55,20.3 52.25,22.6 52.25,49.84 v4(49.31,52.78) ; v4(104.8,49.85) 102.5,47.55 v4(102.5,28.75)
/FPGA/SD0: length 112.2
  Top w0.1: U9.D13 v4(39.8,55.6) ; U21.1 135.14,36.65 128.13,36.65 J13.3 v4(124.7,37.3)
  Bottom w0.1: v4(39.8,55.6) 40,55.4 48.43,55.4 48.88,55.85 66.96,55.85 67.06,55.75 87.2,55.75 87.3,55.85 118.15,55.85 121,53 121,41 v4(124.7,37.3)
/FPGA/SD1: length 112.6
  Top w0.1: U21.4 137.75,38.98 137.5,38.72 128.59,38.72 J13.5 v4(124.75,39.84) ; v4(44.65,56.35) 43.89,55.59 40.61,55.59 U9.D14
  Bottom w0.1: v4(124.75,39.84) 121.75,42.84 121.75,53.5 118.75,56.5 92.91,56.5 92.66,56.25 44.75,56.25 v4(44.65,56.35)
/FPGA/SD2: length 107.6
  Top w0.1: U9.D16 43.5,56 44.25,56.75 v4(45.4,56.75) ; U22.1 135.02,41.73 128.13,41.73 J13.7 v4(124.75,42.38)
  Bottom w0.1: v4(45.4,56.75) 45.5,56.65 65.79,56.65 66.49,57.35 91.29,57.35 91.79,57.85 92.86,57.85 92.96,57.75 115.8,57.75 116.15,58.1 118.15,58.1 122.5,53.75 122.5,44.63 v4(124.75,42.38)
/FPGA/SD3: length 110.9
  Top w0.1: v4(39.75,56.4) 39.4,56.75 U9.C13 ; U22.4 137.75,44.18 137.5,43.92 128.47,43.92 J13.9 124.93,44.92 v4(124.75,45.1)
  Bottom w0.1: v4(39.75,56.4) 40.18,55.97 43.71,55.97 44.88,57.15 45.6,57.15 45.8,56.95 65.3,56.95 65.97,57.62 65.99,57.6 66.61,57.6 67.01,58 91.66,58 91.81,58.15 91.88,58.15 92.23,58.5 118.5,58.5 123,54 123,46.85 v4(124.75,45.1)